# KiCad board poly_kb_molecule_16x5.kicad_pcb (continued)
## Routing (per net, layer and track width the routed paths; a pad name or vN(x,y) marks a point on that pad's centre or on a via; arc(x,y) is an arc through that point) (continued)
/Keyboard/sheet605ED2EB/4V2: length 1869.3
  Top w0.5: 43.65,70.55 v1(43.65,70.35) ; 272.25,89.6 v1(272.25,89.4) ; 234.15,89.6 v1(234.15,89.4) ; 227.33,51.62 224.8,51.62 222.93,49.75 221.05,49.75 220.61,50.19 219.35,50.19 v1(218.48,51.07) 217.98,51.56 210.63,51.56 J3#47.3 ; 55.88,70.67 53.35,70.67 51.48,68.8 49.6,68.8 49.16,69.24 47.9,69.24 v1(47.03,70.12) 46.53,70.61 39.18,70.61 J3#59.3 ; J3#2.3 115.38,70.61 122.73,70.61 v1(123.23,70.12) 124.1,69.24 125.36,69.24 125.8,68.8 127.68,68.8 129.55,70.67 132.08,70.67 ; 189.23,32.58 186.7,32.58 184.83,30.7 182.95,30.7 182.51,31.14 181.25,31.14 v1(180.38,32.02) 179.88,32.51 172.53,32.51 J3#35.3 ; J3#64.3 153.48,51.56 160.83,51.56 v1(161.33,51.07) 162.2,50.19 163.46,50.19 163.9,49.75 165.78,49.75 167.65,51.62 170.18,51.62 ; 177,32.45 v1(177,32.25) ; 246.38,32.58 243.85,32.58 241.98,30.7 240.1,30.7 239.66,31.14 238.4,31.14 v1(237.53,32.02) 237.03,32.51 229.68,32.51 J3#44.3 ; J3#22.3 39.18,51.56 46.53,51.56 v1(47.03,51.07) 47.9,50.19 49.16,50.19 49.6,49.75 51.48,49.75 53.35,51.62 55.88,51.62 ; 113.03,13.53 110.5,13.53 108.63,11.65 106.75,11.65 106.31,12.09 105.05,12.09 v1(104.18,12.97) 103.68,13.46 96.33,13.46 J3#67.3 ; 208.28,32.58 205.75,32.58 203.88,30.7 202,30.7 201.56,31.14 200.3,31.14 v1(199.43,32.02) 198.93,32.51 191.58,32.51 J3#63.3 ; 100.8,89.6 v1(100.8,89.4) ; 113.03,70.67 110.5,70.67 108.63,68.8 106.75,68.8 106.31,69.24 105.05,69.24 v1(104.18,70.12) 103.68,70.61 96.33,70.61 J3#74.3 ; 93.98,13.53 91.45,13.53 89.58,11.65 87.7,11.65 87.26,12.09 86,12.09 v1(85.13,12.97) 84.63,13.46 77.28,13.46 J3#17.3 ; 177,51.5 v1(177,51.3) ; J3#72.3 248.73,70.61 256.08,70.61 v1(256.58,70.12) 257.45,69.24 258.71,69.24 259.15,68.8 261.03,68.8 262.9,70.67 265.43,70.67 ; J3#62.3 286.83,89.66 294.18,89.66 v1(294.68,89.17) 295.55,88.29 296.81,88.29 297.25,87.85 299.13,87.85 301,89.72 303.53,89.72 ; 189.23,89.72 186.7,89.72 184.83,87.85 182.95,87.85 182.51,88.29 181.25,88.29 v1(180.38,89.17) 179.88,89.66 172.53,89.66 J3#68.3 ; 234.15,51.5 v1(234.15,51.3) ; J3#23.3 153.48,89.66 160.83,89.66 v1(161.33,89.17) 162.2,88.29 163.46,88.29 163.9,87.85 165.78,87.85 167.65,89.72 170.18,89.72 ; 265.43,13.53 262.9,13.53 261.03,11.65 259.15,11.65 258.71,12.09 257.45,12.09 v1(256.58,12.97) 256.08,13.46 248.73,13.46 J3#5.3 ; J3#65.3 115.38,89.66 122.73,89.66 v1(123.23,89.17) 124.1,88.29 125.36,88.29 125.8,87.85 127.68,87.85 129.55,89.72 132.08,89.72 ; J3#20.3 1.08,51.56 8.43,51.56 v1(8.93,51.07) 9.8,50.19 11.06,50.19 11.5,49.75 13.38,49.75 15.25,51.62 17.78,51.62 ; 157.95,89.6 v1(157.95,89.4) ; J3#36.3 172.53,51.56 179.88,51.56 v1(180.38,51.07) 181.25,50.19 182.51,50.19 182.95,49.75 184.83,49.75 186.7,51.62 189.23,51.62 ; 5.55,51.5 v1(5.55,51.3) ; 62.7,13.4 v1(62.7,13.2) ; 24.6,70.55 v1(24.6,70.35) ; J3#70.3 210.63,89.66 217.98,89.66 v1(218.48,89.17) 219.35,88.29 220.61,88.29 221.05,87.85 222.93,87.85 224.8,89.72 227.33,89.72 ; 177,89.6 v1(177,89.4) ; J3#18.3 286.83,13.46 294.18,13.46 v1(294.68,12.97) 295.55,12.09 296.81,12.09 297.25,11.65 299.13,11.65 301,13.53 303.53,13.53 ; 234.15,70.55 v1(234.15,70.35) ; J3#76.3 191.58,70.61 198.93,70.61 v1(199.43,70.12) 200.3,69.24 201.56,69.24 202,68.8 203.88,68.8 205.75,70.67 208.28,70.67 ; 284.48,51.62 281.95,51.62 280.08,49.75 278.2,49.75 277.76,50.19 276.5,50.19 v1(275.63,51.07) 275.13,51.56 267.78,51.56 J3#34.3 ; 246.38,13.53 243.85,13.53 241.98,11.65 240.1,11.65 239.66,12.09 238.4,12.09 v1(237.53,12.97) 237.03,13.46 229.68,13.46 J3#38.3 ; 93.98,70.67 91.45,70.67 89.58,68.8 87.7,68.8 87.26,69.24 86,69.24 v1(85.13,70.12) 84.63,70.61 77.28,70.61 J3#27.3 ; J3#32.3 77.28,89.66 84.63,89.66 v1(85.13,89.17) 86,88.29 87.26,88.29 87.7,87.85 89.58,87.85 91.45,89.72 93.98,89.72 ; 234.15,13.4 v1(234.15,13.2) ; 132.08,51.62 129.55,51.62 127.68,49.75 125.8,49.75 125.36,50.19 124.1,50.19 v1(123.23,51.07) 122.73,51.56 115.38,51.56 J3#7.3 ; 215.1,13.4 v1(215.1,13.2) ; J3#46.3 58.23,51.56 65.58,51.56 v1(66.08,51.07) 66.95,50.19 68.21,50.19 68.65,49.75 70.53,49.75 72.4,51.62 74.93,51.62 ; 151.13,70.67 148.6,70.67 146.73,68.8 144.85,68.8 144.41,69.24 143.15,69.24 v1(142.28,70.12) 141.78,70.61 134.43,70.61 J3#41.3 ; J3#40.3 20.13,89.66 27.48,89.66 v1(27.98,89.17) 28.85,88.29 30.11,88.29 30.55,87.85 32.43,87.85 34.3,89.72 36.83,89.72 ; 24.6,13.4 v1(24.6,13.2) ; 303.53,51.62 301,51.62 299.13,49.75 297.25,49.75 296.81,50.19 295.55,50.19 v1(294.68,51.07) 294.18,51.56 286.83,51.56 J3#33.3 ; 74.93,32.58 72.4,32.58 70.53,30.7 68.65,30.7 68.21,31.14 66.95,31.14 v1(66.08,32.02) 65.58,32.51 58.23,32.51 J3#78.3 ; J3#29.3 1.08,13.46 8.43,13.46 v1(8.93,12.97) 9.8,12.09 11.06,12.09 11.5,11.65 13.38,11.65 15.25,13.53 17.78,13.53 ; 157.95,70.55 v1(157.95,70.35) ; 157.95,13.4 v1(157.95,13.2) ; 272.25,32.45 v1(272.25,32.25) ; 100.8,70.55 v1(100.8,70.35) ; 177,70.55 v1(177,70.35) ; J3#16.3 191.58,13.46 198.93,13.46 v1(199.43,12.97) 200.3,12.09 201.56,12.09 202,11.65 203.88,11.65 205.75,13.53 208.28,13.53 ; 113.03,51.62 110.5,51.62 108.63,49.75 106.75,49.75 106.31,50.19 105.05,50.19 v1(104.18,51.07) 103.68,51.56 96.33,51.56 J3#55.3 ; 5.55,70.55 v1(5.55,70.35) ; 36.83,70.67 34.3,70.67 32.43,68.8 30.55,68.8 30.11,69.24 28.85,69.24 v1(27.98,70.12) 27.48,70.61 20.13,70.61 J3#30.3 ; J3#9.3 39.18,13.46 46.53,13.46 v1(47.03,12.97) 47.9,12.09 49.16,12.09 49.6,11.65 51.48,11.65 53.35,13.53 55.88,13.53 ; 196.05,89.6 v1(196.05,89.4) ; 284.48,70.67 281.95,70.67 280.08,68.8 278.2,68.8 277.76,69.24 276.5,69.24 v1(275.63,70.12) 275.13,70.61 267.78,70.61 J3#60.3 ; 24.6,89.6 v1(24.6,89.4) ; 138.9,51.5 v1(138.9,51.3) ; 5.55,89.6 v1(5.55,89.4) ; 81.75,89.6 v1(81.75,89.4) ; 119.85,32.45 v1(119.85,32.25) ; J3#79.3 77.28,51.56 84.63,51.56 v1(85.13,51.07) 86,50.19 87.26,50.19 87.7,49.75 89.58,49.75 91.45,51.62 93.98,51.62 ; J3#4.3 286.83,32.51 294.18,32.51 v1(294.68,32.02) 295.55,31.14 296.81,31.14 297.25,30.7 299.13,30.7 301,32.58 303.53,32.58 ; 36.83,32.58 34.3,32.58 32.43,30.7 30.55,30.7 30.11,31.14 28.85,31.14 v1(27.98,32.02) 27.48,32.51 20.13,32.51 J3#28.3 ; 272.25,13.4 v1(272.25,13.2) ; J3#45.3 58.23,89.66 65.58,89.66 v1(66.08,89.17) 66.95,88.29 68.21,88.29 68.65,87.85 70.53,87.85 72.4,89.72 74.93,89.72 ; 36.83,51.62 34.3,51.62 32.43,49.75 30.55,49.75 30.11,50.19 28.85,50.19 v1(27.98,51.07) 27.48,51.56 20.13,51.56 J3#6.3 ; 74.93,13.53 72.4,13.53 70.53,11.65 68.65,11.65 68.21,12.09 66.95,12.09 v1(66.08,12.97) 65.58,13.46 58.23,13.46 J3#52.3 ; 272.25,51.5 v1(272.25,51.3) ; 227.33,70.67 224.8,70.67 222.93,68.8 221.05,68.8 220.61,69.24 219.35,69.24 v1(218.48,70.12) 217.98,70.61 210.63,70.61 J3#39.3 ; 291.3,89.6 v1(291.3,89.4) ; 272.25,70.55 v1(272.25,70.35) ; 36.83,13.53 34.3,13.53 32.43,11.65 30.55,11.65 30.11,12.09 28.85,12.09 v1(27.98,12.97) 27.48,13.46 20.13,13.46 J3#50.3 ; 5.55,32.45 v1(5.55,32.25) ; 196.05,32.45 v1(196.05,32.25) ; 24.6,51.5 v1(24.6,51.3) ; J3#12.3 77.28,32.51 84.63,32.51 v1(85.13,32.02) 86,31.14 87.26,31.14 87.7,30.7 89.58,30.7 91.45,32.58 93.98,32.58 ; 119.85,70.55 v1(119.85,70.35) ; J3#58.3 39.18,32.51 46.53,32.51 v1(47.03,32.02) 47.9,31.14 49.16,31.14 49.6,30.7 51.48,30.7 53.35,32.58 55.88,32.58 ; 253.2,32.45 v1(253.2,32.25) ; 138.9,89.6 v1(138.9,89.4) ; 81.75,13.4 v1(81.75,13.2) ; 43.65,32.45 v1(43.65,32.25) ; 132.08,32.58 129.55,32.58 127.68,30.7 125.8,30.7 125.36,31.14 124.1,31.14 v1(123.23,32.02) 122.73,32.51 115.38,32.51 J3#49.3 ; 227.33,13.53 224.8,13.53 222.93,11.65 221.05,11.65 220.61,12.09 219.35,12.09 v1(218.48,12.97) 217.98,13.46 210.63,13.46 J3#54.3 ; 62.7,89.6 v1(62.7,89.4) ; 17.78,32.58 15.25,32.58 13.38,30.7 11.5,30.7 11.06,31.14 9.8,31.14 v1(8.93,32.02) 8.43,32.51 1.08,32.51 J3#57.3 ; J3#77.3 39.18,89.66 46.53,89.66 v1(47.03,89.17) 47.9,88.29 49.16,88.29 49.6,87.85 51.48,87.85 53.35,89.72 55.88,89.72 ; 253.2,13.4 v1(253.2,13.2) ; J3#37.3 267.78,32.51 275.13,32.51 v1(275.63,32.02) 276.5,31.14 277.76,31.14 278.2,30.7 280.08,30.7 281.95,32.58 284.48,32.58 ; 291.3,13.4 v1(291.3,13.2) ; 227.33,32.58 224.8,32.58 222.93,30.7 221.05,30.7 220.61,31.14 219.35,31.14 v1(218.48,32.02) 217.98,32.51 210.63,32.51 J3#14.3 ; J3#3.3 172.53,13.46 179.88,13.46 v1(180.38,12.97) 181.25,12.09 182.51,12.09 182.95,11.65 184.83,11.65 186.7,13.53 189.23,13.53 ; 291.3,32.45 v1(291.3,32.25) ; 119.85,89.6 v1(119.85,89.4) ; J3#73.3 96.33,89.66 103.68,89.66 v1(104.18,89.17) 105.05,88.29 106.31,88.29 106.75,87.85 108.63,87.85 110.5,89.72 113.03,89.72 ; 157.95,51.5 v1(157.95,51.3) ; 253.2,89.6 v1(253.2,89.4) ; 196.05,51.5 v1(196.05,51.3) ; 215.1,51.5 v1(215.1,51.3) ; J3#71.3 153.48,13.46 160.83,13.46 v1(161.33,12.97) 162.2,12.09 163.46,12.09 163.9,11.65 165.78,11.65 167.65,13.53 170.18,13.53 ; J3#56.3 229.68,51.56 237.03,51.56 v1(237.53,51.07) 238.4,50.19 239.66,50.19 240.1,49.75 241.98,49.75 243.85,51.62 246.38,51.62 ; J3#61.3 248.73,89.66 256.08,89.66 v1(256.58,89.17) 257.45,88.29 258.71,88.29 259.15,87.85 261.03,87.85 262.9,89.72 265.43,89.72 ; 100.8,13.4 v1(100.8,13.2) ; 81.75,70.55 v1(81.75,70.35) ; J3#8.3 153.48,32.51 160.83,32.51 v1(161.33,32.02) 162.2,31.14 163.46,31.14 163.9,30.7 165.78,30.7 167.65,32.58 170.18,32.58 ; J3#15.3 267.78,89.66 275.13,89.66 v1(275.63,89.17) 276.5,88.29 277.76,88.29 278.2,87.85 280.08,87.85 281.95,89.72 284.48,89.72 ; 215.1,70.55 v1(215.1,70.35) ; J3#48.3 248.73,32.51 256.08,32.51 v1(256.58,32.02) 257.45,31.14 258.71,31.14 259.15,30.7 261.03,30.7 262.9,32.58 265.43,32.58 ; 74.93,70.67 72.4,70.67 70.53,68.8 68.65,68.8 68.21,69.24 66.95,69.24 v1(66.08,70.12) 65.58,70.61 58.23,70.61 J3#21.3 ; 215.1,89.6 v1(215.1,89.4) ; 208.28,89.72 205.75,89.72 203.88,87.85 202,87.85 201.56,88.29 200.3,88.29 v1(199.43,89.17) 198.93,89.66 191.58,89.66 J3#53.3 ; J3#80.3 248.73,51.56 256.08,51.56 v1(256.58,51.07) 257.45,50.19 258.71,50.19 259.15,49.75 261.03,49.75 262.9,51.62 265.43,51.62 ; 81.75,32.45 v1(81.75,32.25) ; 151.13,51.62 148.6,51.62 146.73,49.75 144.85,49.75 144.41,50.19 143.15,50.19 v1(142.28,51.07) 141.78,51.56 134.43,51.56 J3#69.3 ; 17.78,89.72 15.25,89.72 13.38,87.85 11.5,87.85 11.06,88.29 9.8,88.29 v1(8.93,89.17) 8.43,89.66 1.08,89.66 J3.3 ; 43.65,13.4 v1(43.65,13.2) ; 138.9,13.4 v1(138.9,13.2) ; J3#13.3 229.68,89.66 237.03,89.66 v1(237.53,89.17) 238.4,88.29 239.66,88.29 240.1,87.85 241.98,87.85 243.85,89.72 246.38,89.72 ; 177,13.4 v1(177,13.2) ; J3#25.3 115.38,13.46 122.73,13.46 v1(123.23,12.97) 124.1,12.09 125.36,12.09 125.8,11.65 127.68,11.65 129.55,13.53 132.08,13.53 ; 189.23,70.67 186.7,70.67 184.83,68.8 182.95,68.8 182.51,69.24 181.25,69.24 v1(180.38,70.12) 179.88,70.61 172.53,70.61 J3#26.3 ; 113.03,32.58 110.5,32.58 108.63,30.7 106.75,30.7 106.31,31.14 105.05,31.14 v1(104.18,32.02) 103.68,32.51 96.33,32.51 J3#42.3 ; 62.7,32.45 v1(62.7,32.25) ; 81.75,51.5 v1(81.75,51.3) ; J3#51.3 134.43,89.66 141.78,89.66 v1(142.28,89.17) 143.15,88.29 144.41,88.29 144.85,87.85 146.73,87.85 148.6,89.72 151.13,89.72 ; J3#24.3 191.58,51.56 198.93,51.56 v1(199.43,51.07) 200.3,50.19 201.56,50.19 202,49.75 203.88,49.75 205.75,51.62 208.28,51.62 ; 157.95,32.45 v1(157.95,32.25) ; 303.53,70.67 301,70.67 299.13,68.8 297.25,68.8 296.81,69.24 295.55,69.24 v1(294.68,70.12) 294.18,70.61 286.83,70.61 J3#75.3 ; 151.13,13.53 148.6,13.53 146.73,11.65 144.85,11.65 144.41,12.09 143.15,12.09 v1(142.28,12.97) 141.78,13.46 134.43,13.46 J3#66.3 ; J3#43.3 153.48,70.61 160.83,70.61 v1(161.33,70.12) 162.2,69.24 163.46,69.24 163.9,68.8 165.78,68.8 167.65,70.67 170.18,70.67 ; 253.2,51.5 v1(253.2,51.3) ; 5.55,13.4 v1(5.55,13.2) ; 24.6,32.45 v1(24.6,32.25) ; 246.38,70.67 243.85,70.67 241.98,68.8 240.1,68.8 239.66,69.24 238.4,69.24 v1(237.53,70.12) 237.03,70.61 229.68,70.61 J3#19.3 ; 100.8,51.5 v1(100.8,51.3) ; 119.85,13.4 v1(119.85,13.2) ; 215.1,32.45 v1(215.1,32.25) ; 291.3,51.5 v1(291.3,51.3) ; 17.78,70.67 15.25,70.67 13.38,68.8 11.5,68.8 11.06,69.24 9.8,69.24 v1(8.93,70.12) 8.43,70.61 1.08,70.61 J3#31.3 ; 62.7,70.55 v1(62.7,70.35) ; 196.05,13.4 v1(196.05,13.2) ; 43.65,89.6 v1(43.65,89.4) ; J3#11.3 134.43,32.51 141.78,32.51 v1(142.28,32.02) 143.15,31.14 144.41,31.14 144.85,30.7 146.73,30.7 148.6,32.58 151.13,32.58 ; 62.7,51.5 v1(62.7,51.3) ; 234.15,32.45 v1(234.15,32.25) ; 119.85,51.5 v1(119.85,51.3) ; 284.48,13.53 281.95,13.53 280.08,11.65 278.2,11.65 277.76,12.09 276.5,12.09 v1(275.63,12.97) 275.13,13.46 267.78,13.46 J3#10.3 ; 138.9,32.45 v1(138.9,32.25) ; 43.65,51.5 v1(43.65,51.3) ; 138.9,70.55 v1(138.9,70.35) ; 253.2,70.55 v1(253.2,70.35) ; 100.8,32.45 v1(100.8,32.25) ; 196.05,70.55 v1(196.05,70.35) ; 291.3,70.55 v1(291.3,70.35)
  Top w1.5: J4#32.3 J3#37.3 ; J4#40.3 J3#9.3 ; J4#30.3 J3#73.3 ; J4#49.3 J3#70.3 ; J4#11.3 J3#27.3 ; J4#79.3 J3#77.3 ; J4#21.3 J3#6.3 ; J4#41.3 J3#18.3 ; J4#56.3 J3#12.3 ; J4#58.3 J3#23.3 ; J4#37.3 J3#75.3 ; J4#63.3 J3#55.3 ; J4#38.3 J3#5.3 ; J4#34.3 J3#65.3 ; J4#60.3 J3#15.3 ; J4#22.3 J3#67.3 ; J3#64.3 J4#61.3 ; J4#16.3 J3#2.3 ; J4#77.3 J3#71.3 ; J4#23.3 J3#69.3 ; J4#24.3 J3#56.3 ; J4#5.3 J3#11.3 ; J4#71.3 J3#33.3 ; J4#25.3 J3#17.3 ; J4#64.3 J3#4.3 ; J4#4.3 J3#19.3 ; J4#42.3 J3#21.3 ; J4#28.3 J3#3.3 ; J4#78.3 J3#26.3 ; J4#13.3 J3#44.3 ; J4#74.3 J3#48.3 ; J4#50.3 J3#47.3 ; J4#59.3 J3#13.3 ; J4#52.3 J3#22.3 ; J4#55.3 J3#68.3 ; J4#66.3 J3#61.3 ; J4#45.3 J3#51.3 ; J4#76.3 J3#78.3 ; J4#43.3 J3#53.3 ; J4#73.3 J3#52.3 ; J4.3 J3#40.3 ; J4#68.3 J3#35.3 ; J4#65.3 J3#63.3 ; J4#26.3 J3#32.3 ; J4#57.3 J3#74.3 ; J4#62.3 J3#16.3 ; J4#51.3 J3#10.3 ; J4#20.3 J3#41.3 ; J4#53.3 J3#45.3 ; J4#12.3 J3#66.3 ; J4#39.3 J3#60.3 ; J4#67.3 J3#58.3 ; J4#72.3 J3#30.3 ; J4#18.3 J3#34.3 ; J4#47.3 J3#42.3 ; J4#17.3 J3#50.3 ; J4#9.3 J3#39.3 ; J3#8.3 J4#36.3 ; J4#54.3 J3#72.3 ; J4#33.3 J3#7.3 ; J4#48.3 J3#79.3 ; J4#29.3 J3#59.3 ; J4#27.3 J3#62.3 ; J4#44.3 J3#25.3 ; J4#46.3 J3#76.3 ; J4#70.3 J3#28.3 ; J4#6.3 J3#80.3 ; J4#3.3 J3#36.3 ; J4#14.3 J3#43.3 ; J4#10.3 J3#49.3 ; J4#35.3 J3#14.3 ; J4#8.3 J3#46.3 ; J4#15.3 J3#54.3 ; J4#69.3 J3#38.3 ; J4#7.3 J3#24.3
  Bottom w0.3: v1(47.03,70.12) 47.03,70.43 47.38,70.78 J1#5.8 ; J1#40.8 218.82,51.73 218.48,51.38 v1(218.48,51.07) ; v1(215.1,13.2) 215.1,13.16 214.76,12.81 ; v1(177,89.4) 177,89.36 176.66,89.01 ; 195.71,12.81 196.05,13.16 v1(196.05,13.2) ; J1#22.8 85.47,89.83 85.13,89.48 v1(85.13,89.17) ; J1#71.8 85.47,70.78 85.13,70.43 v1(85.13,70.12) ; v1(66.08,51.07) 66.08,51.38 66.42,51.73 J1#70.8 ; 24.26,31.86 24.6,32.21 v1(24.6,32.25) ; J1.8 9.27,89.83 8.93,89.48 v1(8.93,89.17) ; 290.96,69.96 291.3,70.31 v1(291.3,70.35) ; v1(43.65,32.25) 43.65,32.21 43.31,31.86 ; J1#73.8 237.88,13.63 237.53,13.28 v1(237.53,12.97) ; v1(180.38,32.02) 180.38,32.33 180.72,32.68 J1#19.8 ; J1#17.8 47.38,51.73 47.03,51.38 v1(47.03,51.07) ; v1(104.18,12.97) 104.18,13.28 104.53,13.63 J1#59.8 ; v1(27.98,70.12) 27.98,70.43 28.33,70.78 J1#58.8 ; v1(256.58,32.02) 256.58,32.33 256.93,32.68 J1#32.8 ; v1(256.58,51.07) 256.58,51.38 256.93,51.73 J1#66.8 ; 157.61,69.96 157.95,70.31 v1(157.95,70.35) ; 81.41,12.81 81.75,13.16 v1(81.75,13.2) ; J1#48.8 237.88,51.73 237.53,51.38 v1(237.53,51.07) ; v1(256.58,12.97) 256.58,13.28 256.93,13.63 J1#46.8 ; v1(119.85,13.2) 119.85,13.16 119.51,12.81 ; J1#43.8 28.33,51.73 27.98,51.38 v1(27.98,51.07) ; J1#25.8 161.68,89.83 161.33,89.48 v1(161.33,89.17) ; J1#34.8 275.98,70.78 275.63,70.43 v1(275.63,70.12) ; 290.96,31.86 291.3,32.21 v1(291.3,32.25) ; v1(123.23,32.02) 123.23,32.33 123.57,32.68 J1#6.8 ; v1(123.23,89.17) 123.23,89.48 123.57,89.83 J1#53.8 ; 271.91,50.91 272.25,51.26 v1(272.25,51.3) ; 252.86,69.96 253.2,70.31 v1(253.2,70.35) ; J1#31.8 199.78,89.83 199.43,89.48 v1(199.43,89.17) ; v1(142.28,32.02) 142.28,32.33 142.62,32.68 J1#56.8 ; 62.36,69.96 62.7,70.31 v1(62.7,70.35) ; J1#14.8 199.78,70.78 199.43,70.43 v1(199.43,70.12) ; 81.41,69.96 81.75,70.31 v1(81.75,70.35) ; J1#61.8 237.88,89.83 237.53,89.48 v1(237.53,89.17) ; v1(253.2,32.25) 253.2,32.21 252.86,31.86 ; 81.41,31.86 81.75,32.21 v1(81.75,32.25) ; v1(47.03,32.02) 47.03,32.33 47.38,32.68 J1#69.8 ; 81.41,50.91 81.75,51.26 v1(81.75,51.3) ; v1(157.95,51.3) 157.95,51.26 157.61,50.91 ; v1(234.15,51.3) 234.15,51.26 233.81,50.91 ; v1(5.55,51.3) 5.55,51.26 5.21,50.91 ; J1#12.8 9.27,51.73 8.93,51.38 v1(8.93,51.07) ; v1(218.48,70.12) 218.48,70.43 218.82,70.78 J1#72.8 ; v1(123.23,70.12) 123.23,70.43 123.57,70.78 J1#37.8 ; v1(138.9,89.4) 138.9,89.36 138.56,89.01 ; v1(215.1,51.3) 215.1,51.26 214.76,50.91 ; v1(180.38,51.07) 180.38,51.38 180.72,51.73 J1#67.8 ; v1(119.85,32.25) 119.85,32.21 119.51,31.86 ; v1(119.85,51.3) 119.85,51.26 119.51,50.91 ; 290.96,12.81 291.3,13.16 v1(291.3,13.2) ; J1#76.8 104.53,89.83 104.18,89.48 v1(104.18,89.17) ; v1(275.63,32.02) 275.63,32.33 275.98,32.68 J1#2.8 ; J1#11.8 123.57,13.63 123.23,13.28 v1(123.23,12.97) ; v1(119.85,70.35) 119.85,70.31 119.51,69.96 ; J1#23.8 142.62,13.63 142.28,13.28 v1(142.28,12.97) ; v1(43.65,70.35) 43.65,70.31 43.31,69.96 ; 233.81,69.96 234.15,70.31 v1(234.15,70.35) ; v1(24.6,89.4) 24.6,89.36 24.26,89.01 ; v1(100.8,70.35) 100.8,70.31 100.46,69.96 ; 195.71,31.86 196.05,32.21 v1(196.05,32.25) ; v1(47.03,89.17) 47.03,89.48 47.38,89.83 J1#13.8 ; v1(180.38,89.17) 180.38,89.48 180.72,89.83 J1#18.8 ; J1#68.8 161.68,13.63 161.33,13.28 v1(161.33,12.97) ; J1#16.8 161.68,32.68 161.33,32.33 v1(161.33,32.02) ; 252.86,12.81 253.2,13.16 v1(253.2,13.2) ; v1(272.25,89.4) 272.25,89.36 271.91,89.01 ; v1(8.93,32.02) 8.93,32.33 9.27,32.68 J1#7.8 ; 5.21,69.96 5.55,70.31 v1(5.55,70.35) ; J1#42.8 180.72,13.63 180.38,13.28 v1(180.38,12.97) ; v1(177,32.25) 177,32.21 176.66,31.86 ; J1#75.8 218.82,89.83 218.48,89.48 v1(218.48,89.17) ; 62.36,31.86 62.7,32.21 v1(62.7,32.25) ; v1(142.28,70.12) 142.28,70.43 142.62,70.78 J1#28.8 ; v1(142.28,89.17) 142.28,89.48 142.62,89.83 J1#63.8 ; v1(272.25,32.25) 272.25,32.21 271.91,31.86 ; v1(215.1,89.4) 215.1,89.36 214.76,89.01 ; 138.56,12.81 138.9,13.16 v1(138.9,13.2) ; v1(177,13.2) 177,13.16 176.66,12.81 ; 233.81,12.81 234.15,13.16 v1(234.15,13.2) ; 233.81,89.01 234.15,89.36 v1(234.15,89.4) ; J1#64.8 199.78,51.73 199.43,51.38 v1(199.43,51.07) ; v1(138.9,51.3) 138.9,51.26 138.56,50.91 ; v1(275.63,89.17) 275.63,89.48 275.98,89.83 J1#29.8 ; v1(66.08,12.97) 66.08,13.28 66.42,13.63 J1#57.8 ; 233.81,31.86 234.15,32.21 v1(234.15,32.25) ; v1(138.9,32.25) 138.9,32.21 138.56,31.86 ; 24.26,50.91 24.6,51.26 v1(24.6,51.3) ; v1(24.6,70.35) 24.6,70.31 24.26,69.96 ; 290.96,50.91 291.3,51.26 v1(291.3,51.3) ; 5.21,31.86 5.55,32.21 v1(5.55,32.25) ; 157.61,12.81 157.95,13.16 v1(157.95,13.2) ; v1(8.93,12.97) 8.93,13.28 9.27,13.63 J1#41.8 ; v1(157.95,32.25) 157.95,32.21 157.61,31.86 ; J1#21.8 218.82,13.63 218.48,13.28 v1(218.48,12.97) ; 62.36,12.81 62.7,13.16 v1(62.7,13.2) ; J1#9.8 256.93,70.78 256.58,70.43 v1(256.58,70.12) ; v1(85.13,12.97) 85.13,13.28 85.47,13.63 J1#51.8 ; v1(215.1,70.35) 215.1,70.31 214.76,69.96 ; v1(196.05,70.35) 196.05,70.31 195.71,69.96 ; v1(177,70.35) 177,70.31 176.66,69.96 ; J1#24.8 275.98,13.63 275.63,13.28 v1(275.63,12.97) ; v1(43.65,51.3) 43.65,51.26 43.31,50.91 ; 176.66,50.91 177,51.26 v1(177,51.3) ; J1#54.8 256.93,89.83 256.58,89.48 v1(256.58,89.17) ; v1(27.98,32.02) 27.98,32.33 28.33,32.68 J1#3.8 ; J1#33.8 104.53,70.78 104.18,70.43 v1(104.18,70.12) ; v1(100.8,13.2) 100.8,13.16 100.46,12.81 ; v1(66.08,89.17) 66.08,89.48 66.42,89.83 J1#35.8 ; 43.31,89.01 43.65,89.36 v1(43.65,89.4) ; v1(215.1,32.25) 215.1,32.21 214.76,31.86 ; v1(196.05,51.3) 196.05,51.26 195.71,50.91 ; J1#44.8 295.02,13.63 294.68,13.28 v1(294.68,12.97) ; J1#79.8 295.02,89.83 294.68,89.48 v1(294.68,89.17) ; 271.91,12.81 272.25,13.16 v1(272.25,13.2) ; v1(275.63,51.07) 275.63,51.38 275.98,51.73 J1#78.8 ; J1#74.8 85.47,32.68 85.13,32.33 v1(85.13,32.02) ; v1(100.8,89.4) 100.8,89.36 100.46,89.01 ; v1(138.9,70.35) 138.9,70.31 138.56,69.96 ; v1(199.43,12.97) 199.43,13.28 199.78,13.63 J1#10.8 ; v1(180.38,70.12) 180.38,70.43 180.72,70.78 J1#62.8 ; 43.31,12.81 43.65,13.16 v1(43.65,13.2) ; J1#80.8 104.53,32.68 104.18,32.33 v1(104.18,32.02) ; v1(253.2,51.3) 253.2,51.26 252.86,50.91 ; J1#8.8 104.53,51.73 104.18,51.38 v1(104.18,51.07) ; v1(294.68,70.12) 294.68,70.43 295.02,70.78 J1#52.8 ; v1(157.95,89.4) 157.95,89.36 157.61,89.01 ; v1(85.13,51.07) 85.13,51.38 85.47,51.73 J1#38.8 ; v1(272.25,70.35) 272.25,70.31 271.91,69.96 ; v1(27.98,12.97) 27.98,13.28 28.33,13.63 J1#20.8 ; J1#30.8 161.68,70.78 161.33,70.43 v1(161.33,70.12) ; 5.21,89.01 5.55,89.36 v1(5.55,89.4) ; v1(62.7,89.4) 62.7,89.36 62.36,89.01 ; v1(196.05,89.4) 196.05,89.36 195.71,89.01 ; J1#26.8 199.78,32.68 199.43,32.33 v1(199.43,32.02) ; J1#77.8 9.27,70.78 8.93,70.43 v1(8.93,70.12) ; v1(294.68,51.07) 294.68,51.38 295.02,51.73 J1#45.8 ; 252.86,89.01 253.2,89.36 v1(253.2,89.4) ; v1(218.48,32.02) 218.48,32.33 218.82,32.68 J1#50.8 ; v1(66.08,70.12) 66.08,70.43 66.42,70.78 J1#65.8 ; v1(291.3,89.4) 291.3,89.36 290.96,89.01 ; 100.46,50.91 100.8,51.26 v1(100.8,51.3) ; v1(123.23,51.07) 123.23,51.38 123.57,51.73 J1#36.8 ; J1#39.8 237.88,70.78 237.53,70.43 v1(237.53,70.12) ; 24.26,12.81 24.6,13.16 v1(24.6,13.2) ; 119.51,89.01 119.85,89.36 v1(119.85,89.4) ; J1#55.8 47.38,13.63 47.03,13.28 v1(47.03,12.97) ; 81.41,89.01 81.75,89.36 v1(81.75,89.4) ; v1(161.33,51.07) 161.33,51.38 161.68,51.73 J1#27.8 ; 100.46,31.86 100.8,32.21 v1(100.8,32.25) ; v1(142.28,51.07) 142.28,51.38 142.62,51.73 J1#15.8 ; J1#60.8 237.88,32.68 237.53,32.33 v1(237.53,32.02) ; v1(62.7,51.3) 62.7,51.26 62.36,50.91 ; v1(66.08,32.02) 66.08,32.33 66.42,32.68 J1#4.8 ; J1#49.8 295.02,32.68 294.68,32.33 v1(294.68,32.02) ; J1#47.8 28.33,89.83 27.98,89.48 v1(27.98,89.17) ; v1(5.55,13.2) 5.55,13.16 5.21,12.81
/Keyboard/sheet605ED2EB/5V: length 1712.2
  Top w0.5: J3#33.1 287.15,55.24 290.44,55.24 291.33,56.13 295.07,56.13 296,55.21 297.59,55.21 297.99,54.81 298.58,54.81 299.01,55.24 303.4,55.24 J4#2.1 ; 248.92,55.62 249.29,55.26 ; 96.52,55.62 96.89,55.26 ; 284.1,36.19 284.48,36.58 ; 284.1,17.15 284.48,17.53 ; 58.42,93.72 58.79,93.36 ; 58.42,74.67 58.79,74.31 ; 207.9,74.3 208.28,74.67 ; J4#62.1 189.1,17.14 184.71,17.14 184.28,16.71 183.69,16.71 183.29,17.11 181.7,17.11 180.77,18.03 177.03,18.03 176.14,17.14 172.85,17.14 J3#3.1 ; J3#19.1 230,74.29 233.29,74.29 234.19,75.19 237.92,75.19 238.85,74.26 240.44,74.26 240.84,73.86 241.43,73.86 241.86,74.29 246.25,74.29 J4#54.1 ; 229.87,74.67 230.24,74.31 ; 172.72,17.53 173.09,17.16 ; J4#79.1 36.7,93.34 32.31,93.34 31.88,92.91 31.29,92.91 30.89,93.31 29.3,93.31 28.37,94.23 24.63,94.23 23.74,93.34 20.45,93.34 J3#40.1 ; 39.37,17.53 39.74,17.16 ; J4#10.1 112.9,36.19 108.51,36.19 108.08,35.76 107.49,35.76 107.09,36.16 105.5,36.16 104.57,37.08 100.84,37.08 99.94,36.19 96.65,36.19 J3#42.1 ; 77.47,55.62 77.84,55.26 ; 115.57,93.72 115.94,93.36 ; J3#79.1 77.6,55.24 80.89,55.24 81.78,56.13 85.52,56.13 86.45,55.21 88.04,55.21 88.44,54.81 89.03,54.81 89.46,55.24 93.85,55.24 J4#63.1 ; 248.92,36.58 249.29,36.21 ; J3#54.1 210.95,17.14 214.24,17.14 215.13,18.03 218.87,18.03 219.8,17.11 221.39,17.11 221.79,16.71 222.38,16.71 222.81,17.14 227.2,17.14 J4#69.1 ; 134.62,36.58 134.99,36.21 ; J4#47.1 93.85,36.19 89.46,36.19 89.03,35.76 88.44,35.76 88.04,36.16 86.45,36.16 85.52,37.08 81.78,37.08 80.89,36.19 77.6,36.19 J3#12.1 ; 93.6,74.3 93.98,74.67 ; J3#38.1 230,17.14 233.29,17.14 234.19,18.03 237.92,18.03 238.85,17.11 240.44,17.11 240.84,16.71 241.43,16.71 241.86,17.14 246.25,17.14 J4#38.1 ; 169.8,55.24 170.18,55.62 ; 74.55,36.19 74.93,36.58 ; J4#29.1 36.7,74.29 32.31,74.29 31.88,73.86 31.29,73.86 30.89,74.26 29.3,74.26 28.37,75.19 24.63,75.19 23.74,74.29 20.45,74.29 J3#30.1 ; 131.7,17.15 132.08,17.53 ; 20.32,36.58 20.69,36.21 ; 246,74.3 246.38,74.67 ; J4#17.1 17.65,17.14 13.26,17.14 12.83,16.71 12.24,16.71 11.84,17.11 10.25,17.11 9.32,18.03 5.59,18.03 4.69,17.14 1.4,17.14 J3#29.1 ; 284.1,74.3 284.48,74.67 ; 248.92,74.67 249.29,74.31 ; J3#18.1 287.15,17.14 290.44,17.14 291.33,18.03 295.07,18.03 296,17.11 297.59,17.11 297.99,16.71 298.58,16.71 299.01,17.14 303.4,17.14 J4#31.1 ; J4#18.1 265.3,55.24 260.91,55.24 260.48,54.81 259.89,54.81 259.49,55.21 257.9,55.21 256.97,56.13 253.24,56.13 252.34,55.24 249.05,55.24 J3#80.1 ; J3#43.1 153.8,74.29 157.09,74.29 157.98,75.19 161.72,75.19 162.65,74.26 164.24,74.26 164.64,73.86 165.23,73.86 165.66,74.29 170.05,74.29 J4#78.1 ; J3#10.1 268.1,17.14 271.39,17.14 272.29,18.03 276.02,18.03 276.95,17.11 278.54,17.11 278.94,16.71 279.53,16.71 279.96,17.14 284.35,17.14 J4#41.1 ; J4#76.1 55.75,36.19 51.36,36.19 50.93,35.76 50.34,35.76 49.94,36.16 48.35,36.16 47.42,37.08 43.69,37.08 42.79,36.19 39.5,36.19 J3#58.1 ; J3#22.1 39.5,55.24 42.79,55.24 43.69,56.13 47.42,56.13 48.35,55.21 49.94,55.21 50.34,54.81 50.93,54.81 51.36,55.24 55.75,55.24 J4#8.1 ; J3#71.1 153.8,17.14 157.09,17.14 157.98,18.03 161.72,18.03 162.65,17.11 164.24,17.11 164.64,16.71 165.23,16.71 165.66,17.14 170.05,17.14 J4#28.1 ; J3#14.1 210.95,36.19 214.24,36.19 215.13,37.08 218.87,37.08 219.8,36.16 221.39,36.16 221.79,35.76 222.38,35.76 222.81,36.19 227.2,36.19 J4#13.1 ; J4#80.1 303.4,74.29 299.01,74.29 298.58,73.86 297.99,73.86 297.59,74.26 296,74.26 295.07,75.19 291.33,75.19 290.44,74.29 287.15,74.29 J3#75.1 ; J4#75.1 303.4,36.19 299.01,36.19 298.58,35.76 297.99,35.76 297.59,36.16 296,36.16 295.07,37.08 291.33,37.08 290.44,36.19 287.15,36.19 J3#4.1 ; 93.6,93.34 93.98,93.72 ; J3#68.1 172.85,93.34 176.14,93.34 177.03,94.23 180.77,94.23 181.7,93.31 183.29,93.31 183.69,92.91 184.28,92.91 184.71,93.34 189.1,93.34 J4#43.1 ; J4#72.1 17.65,74.29 13.26,74.29 12.83,73.86 12.24,73.86 11.84,74.26 10.25,74.26 9.32,75.19 5.59,75.19 4.69,74.29 1.4,74.29 J3#31.1 ; 265.05,93.34 265.43,93.72 ; J4#20.1 131.95,74.29 127.56,74.29 127.13,73.86 126.54,73.86 126.14,74.26 124.55,74.26 123.62,75.19 119.88,75.19 118.99,74.29 115.7,74.29 J3#2.1 ; J4#5.1 131.95,36.19 127.56,36.19 127.13,35.76 126.54,35.76 126.14,36.16 124.55,36.16 123.62,37.08 119.88,37.08 118.99,36.19 115.7,36.19 J3#49.1 ; J4#66.1 246.25,93.34 241.86,93.34 241.43,92.91 240.84,92.91 240.44,93.31 238.85,93.31 237.92,94.23 234.19,94.23 233.29,93.34 230,93.34 J3#13.1 ; 191.77,36.58 192.14,36.21 ; J3#9.1 39.5,17.14 42.79,17.14 43.69,18.03 47.42,18.03 48.35,17.11 49.94,17.11 50.34,16.71 50.93,16.71 51.36,17.14 55.75,17.14 J4#73.1 ; J4#64.1 284.35,36.19 279.96,36.19 279.53,35.76 278.94,35.76 278.54,36.16 276.95,36.16 276.02,37.08 272.29,37.08 271.39,36.19 268.1,36.19 J3#37.1 ; J3#78.1 58.55,36.19 61.84,36.19 62.73,37.08 66.47,37.08 67.4,36.16 68.99,36.16 69.39,35.76 69.98,35.76 70.41,36.19 74.8,36.19 J4#56.1 ; J3#7.1 115.7,55.24 118.99,55.24 119.88,56.13 123.62,56.13 124.55,55.21 126.14,55.21 126.54,54.81 127.13,54.81 127.56,55.24 131.95,55.24 J4#23.1 ; J3#46.1 58.55,55.24 61.84,55.24 62.73,56.13 66.47,56.13 67.4,55.21 68.99,55.21 69.39,54.81 69.98,54.81 70.41,55.24 74.8,55.24 J4#48.1 ; 58.42,55.62 58.79,55.26 ; 39.37,36.58 39.74,36.21 ; J3#27.1 77.6,74.29 80.89,74.29 81.78,75.19 85.52,75.19 86.45,74.26 88.04,74.26 88.44,73.86 89.03,73.86 89.46,74.29 93.85,74.29 J4#57.1 ; 188.85,36.19 189.23,36.58 ; J4#70.1 17.65,36.19 13.26,36.19 12.83,35.76 12.24,35.76 11.84,36.16 10.25,36.16 9.32,37.08 5.59,37.08 4.69,36.19 1.4,36.19 J3#57.1 ; 55.5,74.3 55.88,74.67 ; 112.65,74.3 113.03,74.67 ; 77.47,17.53 77.84,17.16 ; J4#55.1 170.05,93.34 165.66,93.34 165.23,92.91 164.64,92.91 164.24,93.31 162.65,93.31 161.72,94.23 157.98,94.23 157.09,93.34 153.8,93.34 J3#23.1 ; 74.55,74.3 74.93,74.67 ; J3#45.1 58.55,93.34 61.84,93.34 62.73,94.23 66.47,94.23 67.4,93.31 68.99,93.31 69.39,92.91 69.98,92.91 70.41,93.34 74.8,93.34 J4#26.1 ; 246,17.15 246.38,17.53 ; J4#58.1 151,93.34 146.61,93.34 146.18,92.91 145.59,92.91 145.19,93.31 143.6,93.31 142.67,94.23 138.94,94.23 138.04,93.34 134.75,93.34 J3#51.1 ; 210.82,93.72 211.19,93.36 ; 1.27,17.53 1.64,17.16 ; J4#32.1 265.3,36.19 260.91,36.19 260.48,35.76 259.89,35.76 259.49,36.16 257.9,36.16 256.97,37.08 253.24,37.08 252.34,36.19 249.05,36.19 J3#48.1 ; J3#41.1 134.75,74.29 138.04,74.29 138.94,75.19 142.67,75.19 143.6,74.26 145.19,74.26 145.59,73.86 146.18,73.86 146.61,74.29 151,74.29 J4#14.1 ; 17.4,93.34 17.78,93.72 ; J4#21.1 17.65,55.24 13.26,55.24 12.83,54.81 12.24,54.81 11.84,55.21 10.25,55.21 9.32,56.13 5.59,56.13 4.69,55.24 1.4,55.24 J3#20.1 ; J4#46.1 189.1,74.29 184.71,74.29 184.28,73.86 183.69,73.86 183.29,74.26 181.7,74.26 180.77,75.19 177.03,75.19 176.14,74.29 172.85,74.29 J3#26.1 ; 210.82,74.67 211.19,74.31 ; 172.72,36.58 173.09,36.21 ; 36.45,17.15 36.83,17.53 ; 150.75,93.34 151.13,93.72 ; 169.8,93.34 170.18,93.72 ; J3#63.1 191.9,36.19 195.19,36.19 196.09,37.08 199.82,37.08 200.75,36.16 202.34,36.16 202.74,35.76 203.33,35.76 203.76,36.19 208.15,36.19 J4#35.1 ; 93.6,55.24 93.98,55.62 ; J3#73.1 96.65,93.34 99.94,93.34 100.84,94.23 104.57,94.23 105.5,93.31 107.09,93.31 107.49,92.91 108.08,92.91 108.51,93.34 112.9,93.34 J4#34.1 ; 58.42,17.53 58.79,17.16 ; 150.75,55.24 151.13,55.62 ; 169.8,36.19 170.18,36.58 ; 267.97,36.58 268.34,36.21 ; J4#9.1 208.15,74.29 203.76,74.29 203.33,73.86 202.74,73.86 202.34,74.26 200.75,74.26 199.82,75.19 196.09,75.19 195.19,74.29 191.9,74.29 J3#76.1 ; 226.95,74.3 227.33,74.67 ; 303.15,17.15 303.53,17.53 ; J4#15.1 208.15,17.14 203.76,17.14 203.33,16.71 202.74,16.71 202.34,17.11 200.75,17.11 199.82,18.03 196.09,18.03 195.19,17.14 191.9,17.14 J3#16.1 ; J4#37.1 284.35,74.29 279.96,74.29 279.53,73.86 278.94,73.86 278.54,74.26 276.95,74.26 276.02,75.19 272.29,75.19 271.39,74.29 268.1,74.29 J3#60.1 ; 112.65,93.34 113.03,93.72 ; J3#35.1 172.85,36.19 176.14,36.19 177.03,37.08 180.77,37.08 181.7,36.16 183.29,36.16 183.69,35.76 184.28,35.76 184.71,36.19 189.1,36.19 J4#65.1 ; J3#56.1 230,55.24 233.29,55.24 234.19,56.13 237.92,56.13 238.85,55.21 240.44,55.21 240.84,54.81 241.43,54.81 241.86,55.24 246.25,55.24 J4#6.1 ; J3#64.1 153.8,55.24 157.09,55.24 157.98,56.13 161.72,56.13 162.65,55.21 164.24,55.21 164.64,54.81 165.23,54.81 165.66,55.24 170.05,55.24 J4#3.1 ; 246,93.34 246.38,93.72 ; 93.6,36.19 93.98,36.58 ; 93.6,17.15 93.98,17.53 ; 188.85,17.15 189.23,17.53 ; 55.5,55.24 55.88,55.62 ; J4#71.1 284.35,55.24 279.96,55.24 279.53,54.81 278.94,54.81 278.54,55.21 276.95,55.21 276.02,56.13 272.29,56.13 271.39,55.24 268.1,55.24 J3#34.1 ; 77.47,36.58 77.84,36.21 ; J3#25.1 115.7,17.14 118.99,17.14 119.88,18.03 123.62,18.03 124.55,17.11 126.14,17.11 126.54,16.71 127.13,16.71 127.56,17.14 131.95,17.14 J4#12.1 ; 153.67,93.72 154.04,93.36 ; 134.62,17.53 134.99,17.16 ; 36.45,93.34 36.83,93.72 ; 303.15,55.24 303.53,55.62 ; 188.85,93.34 189.23,93.72 ; 96.52,36.58 96.89,36.21 ; 150.75,74.3 151.13,74.67 ; 267.97,55.62 268.34,55.26 ; J3#39.1 210.95,74.29 214.24,74.29 215.13,75.19 218.87,75.19 219.8,74.26 221.39,74.26 221.79,73.86 222.38,73.86 222.81,74.29 227.2,74.29 J4#4.1 ; J3#65.1 115.7,93.34 118.99,93.34 119.88,94.23 123.62,94.23 124.55,93.31 126.14,93.31 126.54,92.91 127.13,92.91 127.56,93.34 131.95,93.34 J4#45.1 ; 226.95,36.19 227.33,36.58 ; 131.7,36.19 132.08,36.58 ; J4#33.1 112.9,55.24 108.51,55.24 108.08,54.81 107.49,54.81 107.09,55.21 105.5,55.21 104.57,56.13 100.84,56.13 99.94,55.24 96.65,55.24 J3#55.1 ; J3#72.1 249.05,74.29 252.34,74.29 253.24,75.19 256.97,75.19 257.9,74.26 259.49,74.26 259.89,73.86 260.48,73.86 260.91,74.29 265.3,74.29 J4#39.1 ; 284.1,93.34 284.48,93.72 ; 74.55,55.24 74.93,55.62 ; 17.4,55.24 17.78,55.62 ; 74.55,93.34 74.93,93.72 ; J3#66.1 134.75,17.14 138.04,17.14 138.94,18.03 142.67,18.03 143.6,17.11 145.19,17.11 145.59,16.71 146.18,16.71 146.61,17.14 151,17.14 J4#77.1 ; 153.67,17.53 154.04,17.16 ; 188.85,74.3 189.23,74.67 ; 150.75,17.15 151.13,17.53 ; 20.32,74.67 20.69,74.31 ; 287.02,74.67 287.39,74.31 ; 303.15,36.19 303.53,36.58 ; J3#21.1 58.55,74.29 61.84,74.29 62.73,75.19 66.47,75.19 67.4,74.26 68.99,74.26 69.39,73.86 69.98,73.86 70.41,74.29 74.8,74.29 J4#11.1 ; 1.27,74.67 1.64,74.31 ; 55.5,93.34 55.88,93.72 ; 131.7,74.3 132.08,74.67 ; J4#60.1 265.3,93.34 260.91,93.34 260.48,92.91 259.89,92.91 259.49,93.31 257.9,93.31 256.97,94.23 253.24,94.23 252.34,93.34 249.05,93.34 J3#61.1 ; J4.1 17.65,93.34 13.26,93.34 12.83,92.91 12.24,92.91 11.84,93.31 10.25,93.31 9.32,94.23 5.59,94.23 4.69,93.34 1.4,93.34 J3.1 ; J4#61.1 151,55.24 146.61,55.24 146.18,54.81 145.59,54.81 145.19,55.21 143.6,55.21 142.67,56.13 138.94,56.13 138.04,55.24 134.75,55.24 J3#69.1 ; 58.42,36.58 58.79,36.21 ; 77.47,93.72 77.84,93.36 ; J4#44.1 112.9,17.14 108.51,17.14 108.08,16.71 107.49,16.71 107.09,17.11 105.5,17.11 104.57,18.03 100.84,18.03 99.94,17.14 96.65,17.14 J3#67.1 ; 303.15,74.3 303.53,74.67 ; 96.52,17.53 96.89,17.16 ; 172.72,93.72 173.09,93.36 ; 39.37,74.67 39.74,74.31 ; 229.87,17.53 230.24,17.16 ; J4#49.1 208.15,93.34 203.76,93.34 203.33,92.91 202.74,92.91 202.34,93.31 200.75,93.31 199.82,94.23 196.09,94.23 195.19,93.34 191.9,93.34 J3#53.1 ; J4#19.1 303.4,93.34 299.01,93.34 298.58,92.91 297.99,92.91 297.59,93.31 296,93.31 295.07,94.23 291.33,94.23 290.44,93.34 287.15,93.34 J3#62.1 ; 77.47,74.67 77.84,74.31 ; 210.82,17.53 211.19,17.16 ; J4#53.1 55.75,93.34 51.36,93.34 50.93,92.91 50.34,92.91 49.94,93.31 48.35,93.31 47.42,94.23 43.69,94.23 42.79,93.34 39.5,93.34 J3#77.1 ; 115.57,36.58 115.94,36.21 ; 169.8,74.3 170.18,74.67 ; 115.57,74.67 115.94,74.31 ; 134.62,55.62 134.99,55.26 ; 131.7,93.34 132.08,93.72 ; 172.72,55.62 173.09,55.26 ; 191.77,93.72 192.14,93.36 ; 246,55.24 246.38,55.62 ; 172.72,74.67 173.09,74.31 ; J3#11.1 134.75,36.19 138.04,36.19 138.94,37.08 142.67,37.08 143.6,36.16 145.19,36.16 145.59,35.76 146.18,35.76 146.61,36.19 151,36.19 J4#36.1 ; 229.87,93.72 230.24,93.36 ; J3#70.1 210.95,93.34 214.24,93.34 215.13,94.23 218.87,94.23 219.8,93.31 221.39,93.31 221.79,92.91 222.38,92.91 222.81,93.34 227.2,93.34 J4#59.1 ; 265.05,17.15 265.43,17.53 ; J3#74.1 96.65,74.29 99.94,74.29 100.84,75.19 104.57,75.19 105.5,74.26 107.09,74.26 107.49,73.86 108.08,73.86 108.51,74.29 112.9,74.29 J4#16.1 ; 226.95,55.24 227.33,55.62 ; 210.82,55.62 211.19,55.26 ; 267.97,17.53 268.34,17.16 ; J4#67.1 36.7,36.19 32.31,36.19 31.88,35.76 31.29,35.76 30.89,36.16 29.3,36.16 28.37,37.08 24.63,37.08 23.74,36.19 20.45,36.19 J3#28.1 ; 229.87,36.58 230.24,36.21 ; 17.4,74.3 17.78,74.67 ; J3#32.1 77.6,93.34 80.89,93.34 81.78,94.23 85.52,94.23 86.45,93.31 88.04,93.31 88.44,92.91 89.03,92.91 89.46,93.34 93.85,93.34 J4#30.1 ; 191.77,17.53 192.14,17.16 ; 188.85,55.24 189.23,55.62 ; 287.02,36.58 287.39,36.21 ; 39.37,93.72 39.74,93.36 ; J3#36.1 172.85,55.24 176.14,55.24 177.03,56.13 180.77,56.13 181.7,55.21 183.29,55.21 183.69,54.81 184.28,54.81 184.71,55.24 189.1,55.24 J4#7.1 ; 36.45,36.19 36.83,36.58 ; 112.65,17.15 113.03,17.53 ; 134.62,74.67 134.99,74.31 ; J3#6.1 20.45,55.24 23.74,55.24 24.63,56.13 28.37,56.13 29.3,55.21 30.89,55.21 31.29,54.81 31.88,54.81 32.31,55.24 36.7,55.24 J4#52.1 ; 287.02,93.72 287.39,93.36 ; J3#24.1 191.9,55.24 195.19,55.24 196.09,56.13 199.82,56.13 200.75,55.21 202.34,55.21 202.74,54.81 203.33,54.81 203.76,55.24 208.15,55.24 J4#50.1 ; 229.87,55.62 230.24,55.26 ; J4#22.1 93.85,17.14 89.46,17.14 89.03,16.71 88.44,16.71 88.04,17.11 86.45,17.11 85.52,18.03 81.78,18.03 80.89,17.14 77.6,17.14 J3#17.1 ; 169.8,17.15 170.18,17.53 ; 210.82,36.58 211.19,36.21 ; 131.7,55.24 132.08,55.62 ; J4#51.1 265.3,17.14 260.91,17.14 260.48,16.71 259.89,16.71 259.49,17.11 257.9,17.11 256.97,18.03 253.24,18.03 252.34,17.14 249.05,17.14 J3#5.1 ; 207.9,17.15 208.28,17.53 ; 191.77,74.67 192.14,74.31 ; 55.5,17.15 55.88,17.53 ; 207.9,55.24 208.28,55.62 ; J4#74.1 246.25,36.19 241.86,36.19 241.43,35.76 240.84,35.76 240.44,36.16 238.85,36.16 237.92,37.08 234.19,37.08 233.29,36.19 230,36.19 J3#44.1 ; J4#42.1 55.75,74.29 51.36,74.29 50.93,73.86 50.34,73.86 49.94,74.26 48.35,74.26 47.42,75.19 43.69,75.19 42.79,74.29 39.5,74.29 J3#59.1 ; J4#40.1 36.7,17.14 32.31,17.14 31.88,16.71 31.29,16.71 30.89,17.11 29.3,17.11 28.37,18.03 24.63,18.03 23.74,17.14 20.45,17.14 J3#50.1 ; 248.92,93.72 249.29,93.36 ; 267.97,74.67 268.34,74.31 ; 207.9,36.19 208.28,36.58 ; 153.67,36.58 154.04,36.21 ; 287.02,17.53 287.39,17.16 ; 207.9,93.34 208.28,93.72 ; 284.1,55.24 284.48,55.62 ; J3#52.1 58.55,17.14 61.84,17.14 62.73,18.03 66.47,18.03 67.4,17.11 68.99,17.11 69.39,16.71 69.98,16.71 70.41,17.14 74.8,17.14 J4#25.1 ; 265.05,74.3 265.43,74.67 ; 1.27,93.72 1.64,93.36 ; 267.97,93.72 268.34,93.36 ; 1.27,36.58 1.64,36.21 ; J4#24.1 227.2,55.24 222.81,55.24 222.38,54.81 221.79,54.81 221.39,55.21 219.8,55.21 218.87,56.13 215.13,56.13 214.24,55.24 210.95,55.24 J3#47.1 ; 248.92,17.53 249.29,17.16 ; 20.32,55.62 20.69,55.26 ; J3#8.1 153.8,36.19 157.09,36.19 157.98,37.08 161.72,37.08 162.65,36.16 164.24,36.16 164.64,35.76 165.23,35.76 165.66,36.19 170.05,36.19 J4#68.1 ; 55.5,36.19 55.88,36.58 ; 36.45,55.24 36.83,55.62 ; 20.32,17.53 20.69,17.16 ; 265.05,55.24 265.43,55.62 ; 226.95,93.34 227.33,93.72 ; 112.65,36.19 113.03,36.58 ; 17.4,17.15 17.78,17.53 ; 96.52,93.72 96.89,93.36 ; 226.95,17.15 227.33,17.53 ; 153.67,74.67 154.04,74.31 ; 112.65,55.24 113.03,55.62 ; 134.62,93.72 134.99,93.36 ; 265.05,36.19 265.43,36.58 ; 246,36.19 246.38,36.58 ; 17.4,36.19 17.78,36.58 ; 39.37,55.62 39.74,55.26 ; J4#27.1 284.35,93.34 279.96,93.34 279.53,92.91 278.94,92.91 278.54,93.31 276.95,93.31 276.02,94.23 272.29,94.23 271.39,93.34 268.1,93.34 J3#15.1 ; 191.77,55.62 192.14,55.26 ; 20.32,93.72 20.69,93.36 ; 115.57,17.53 115.94,17.16 ; 303.15,93.34 303.53,93.72 ; 153.67,55.62 154.04,55.26 ; 150.75,36.19 151.13,36.58 ; 287.02,55.62 287.39,55.26 ; 36.45,74.3 36.83,74.67 ; 115.57,55.62 115.94,55.26 ; 96.52,74.67 96.89,74.31 ; 74.55,17.15 74.93,17.53 ; 1.27,55.62 1.64,55.26